# KiCad board C1581.kicad_pcb (continued)
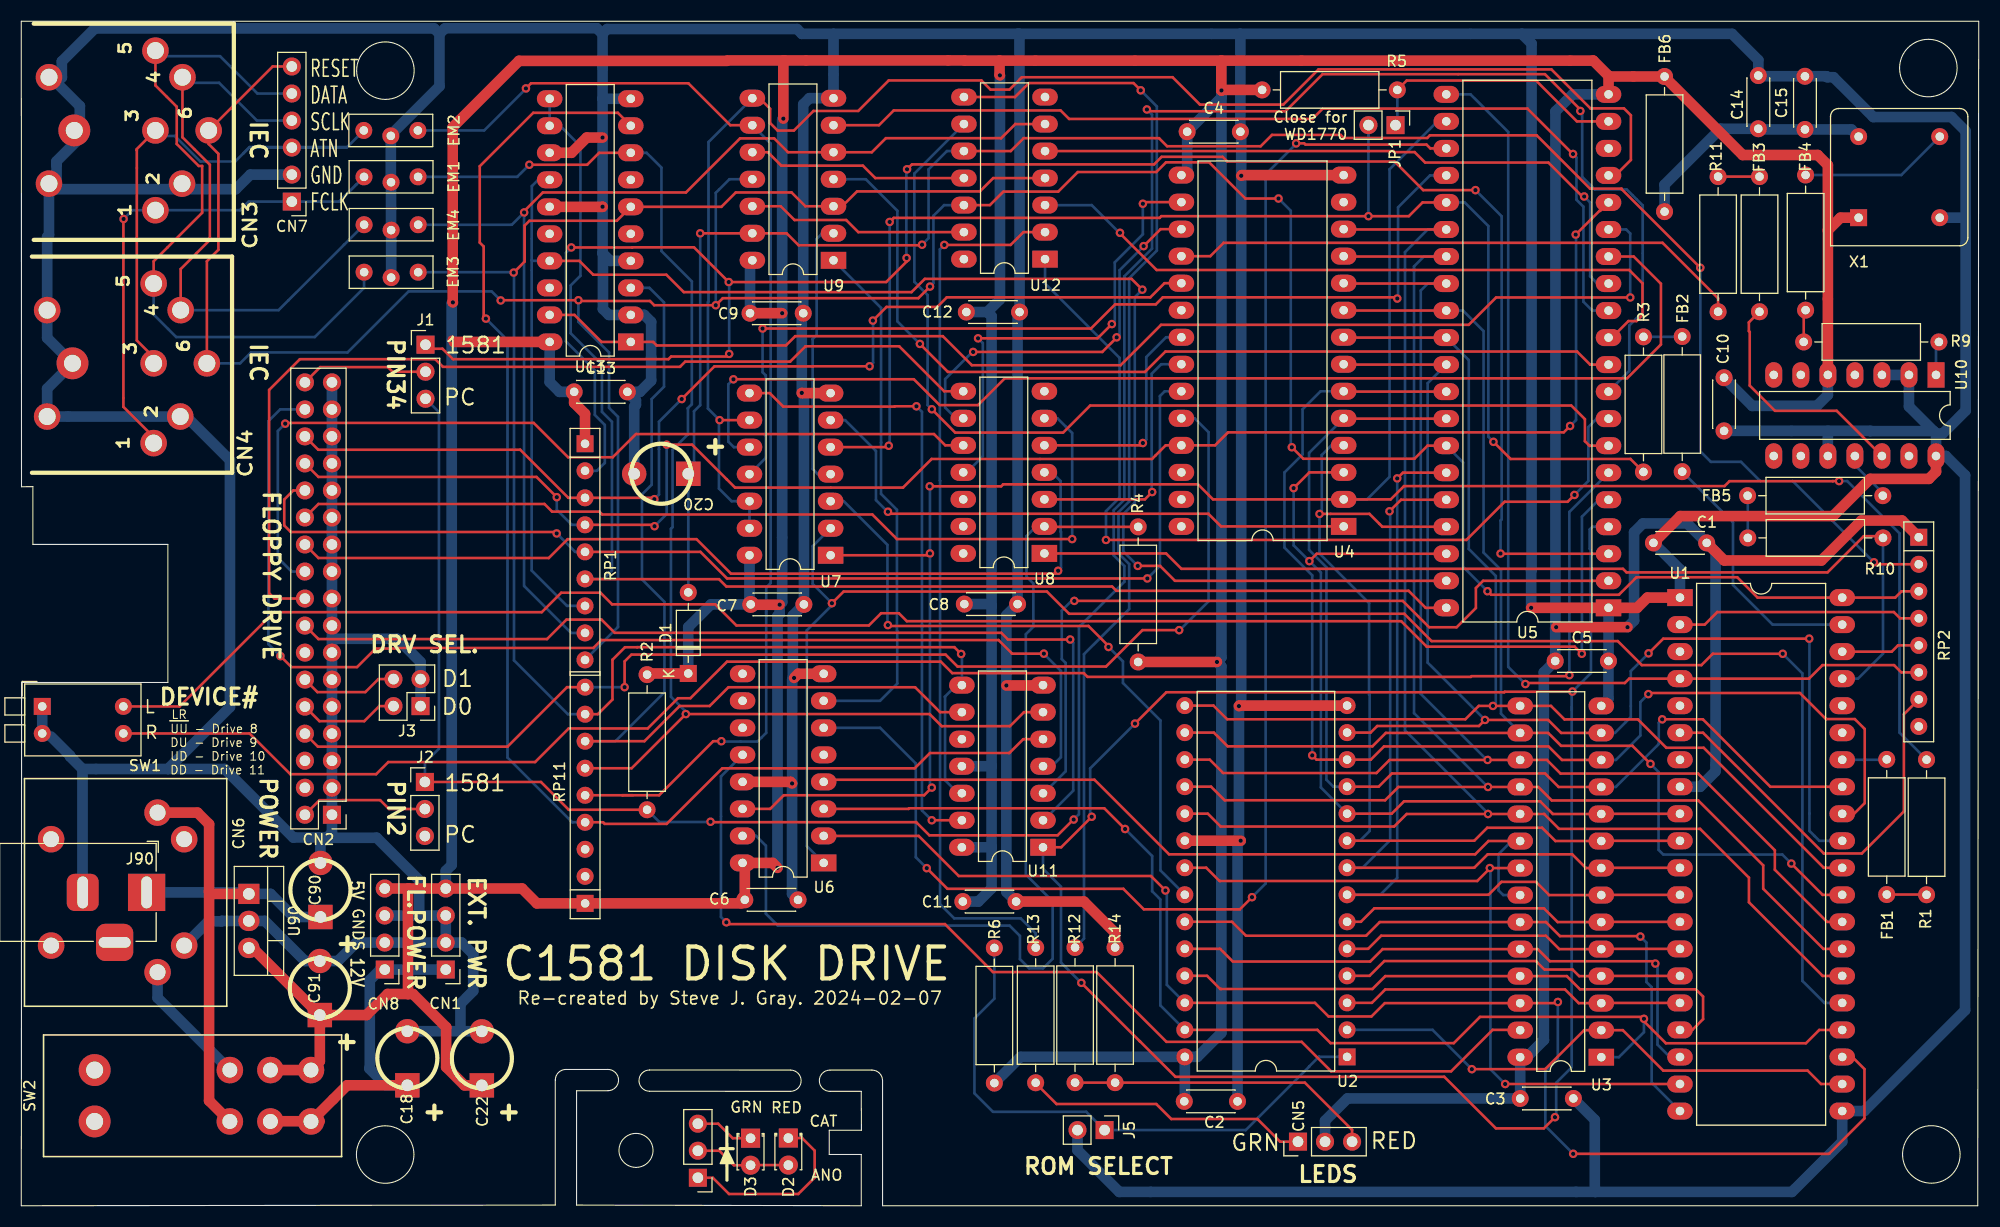
[diagram p0: board, top side]
## Routing (per net, layer and track width the routed paths; a pad name or vN(x,y) marks a point on that pad's centre or on a via; arc(x,y) is an arc through that point) (continued)
Net-(U4-WD): length 24.7
  Top w0.25: U8.3 105.54,66.39 v1(106.23,67.08)
  Bottom w0.25: U4.22 107.07,79.09 106.18,78.2 106.18,67.13 v1(106.23,67.08)
Net-(U4-WG): length 21.6
  Top w0.25: v1(105.35,71.69) 105.13,71.47 U8.5
  Bottom w0.25: U4.21 107.53,81.63 105.67,79.77 105.67,72.01 v1(105.35,71.69)
Net-(U5-PA3): length 160.8
  Top w0.25: SW1.4 14.87,46.93 23.73,55.79 48.89,55.79 50.72,57.62 54.4,57.62 55.49,56.53 65.19,56.53 67.17,54.54 79.61,54.54 80.76,55.69 82.43,55.69 83.18,54.94 129.62,54.94 132.01,52.55 145.91,52.55 v1(146.58,51.88)
  Bottom w0.25: v1(146.58,51.88) 146.58,54.54 146.59,54.55 146.59,64.76 148.19,66.36 U5.5
Net-(U5-PA4): length 163
  Top w0.25: SW1.3 21.44,44.39 25.27,40.56 33.33,40.56 34.47,41.7 48.26,41.7 51.42,44.86 58.84,44.86 61.68,47.7 62.85,47.7 66.29,51.14 86.37,51.14 87.45,50.06 99.8,50.06 100.15,49.71 136.16,49.71 136.22,49.77 145.31,49.77 v1(145.41,49.87)
  Bottom w0.25: v1(145.41,49.87) 145.41,65.21 149.09,68.89 U5.6
Net-(U6B-E): length 91.9
  Top w0.25: R4.1 96.14,63.81 U8.2
  Bottom w0.25: U8.2 95.33,63.85 94.42,62.94 94.42,59.13 95.06,58.49 95.06,54.42 94.36,53.72 94.36,31.12 96.88,28.6 96.88,23.22 95.97,22.31 94.67,22.31 93.8,23.18 93.8,25.36 92.83,26.33 71.06,26.33 69.94,27.45 69.94,33.84 69.02,34.76 U6.15
Net-(U7-Pad4): length 25.5
  Bottom w0.25: U7.4 74.82,68.76 74.34,69.25 74.34,81.42 74.31,81.44 74.71,81.84 74.71,90.81 74.68,90.84 75.24,91.4 U9.2
Net-(U10-CP1..3): length 3.2
  Bottom w0.25: R9.1 179.85,80.92 U10.1
Net-(U10-Q0): length 22.5
  Top w0.25: FB3.1 162.27,83.03 162.27,82.21 162.35,82.13 162.35,77.09 164.72,74.72 170.52,74.72 U10.12
Net-(U10-Q3): length 4.8
  Bottom w0.25: FB5.2 174.85,66.99 172.23,69.61 U10.11
Net-(U11-Pad13): length 58.6
  Top w0.25: U7.8 70.3,76.38 71.57,75.11 82.02,75.11 82.05,75.14 v1(84.08,75.14) ; v1(85.52,36.23) U11.13
  Bottom w0.25: v1(85.52,36.23) 84.6,37.15 84.6,74.62 v1(84.08,75.14)
Net-(U12-Pad11): length 20.9
  Top w0.25: U12.11 80.22,96.59 79.05,97.76 71.39,97.76 70.13,99.02 U9.10
Net-(U12-Pad13): length 20.9
  Top w0.25: U12.13 78.62,91.51 77.48,92.65 72.63,92.65 71.34,93.94 U9.12
Net-(X1-OUT): length 14.1
  Bottom w0.25: X1.5 176.59,96.88 FB4.1
Net-(X1-Vcc): length 23.2
  Bottom w1: FB6.2 154.35,95.97 159.61,101.23 C14.1 163.23,101.16 C15.1 171.91,101.16 X1.8

## Text on the board
F.Silkscreen: UU - Drive 8 / DU - Drive 9 / UD - Drive 10 / DD - Drive 11 | LR | GRN | RED | CAT | ANO | Close for / WD1770 | GNDS | 5V | 12V | RESET / DATA / SCLK / ATN / GND / FCLK | L | R | Re-created by Steve J. Gray. 2024-02-07 | D0 | D1 | PC | 1581 | DEVICE# | DRV SEL. | LEDS | ROM SELECT | IEC | POWER | FLOPPY DRIVE | PIN34 | PIN2 | FL.POWER | EXT. PWR | C1581 DISK DRIVE
User.1: FRONT TRACES
User.2: BACK TRACES
